# Altium PCB Controller.PcbDoc (part 1 of 2) (continued)
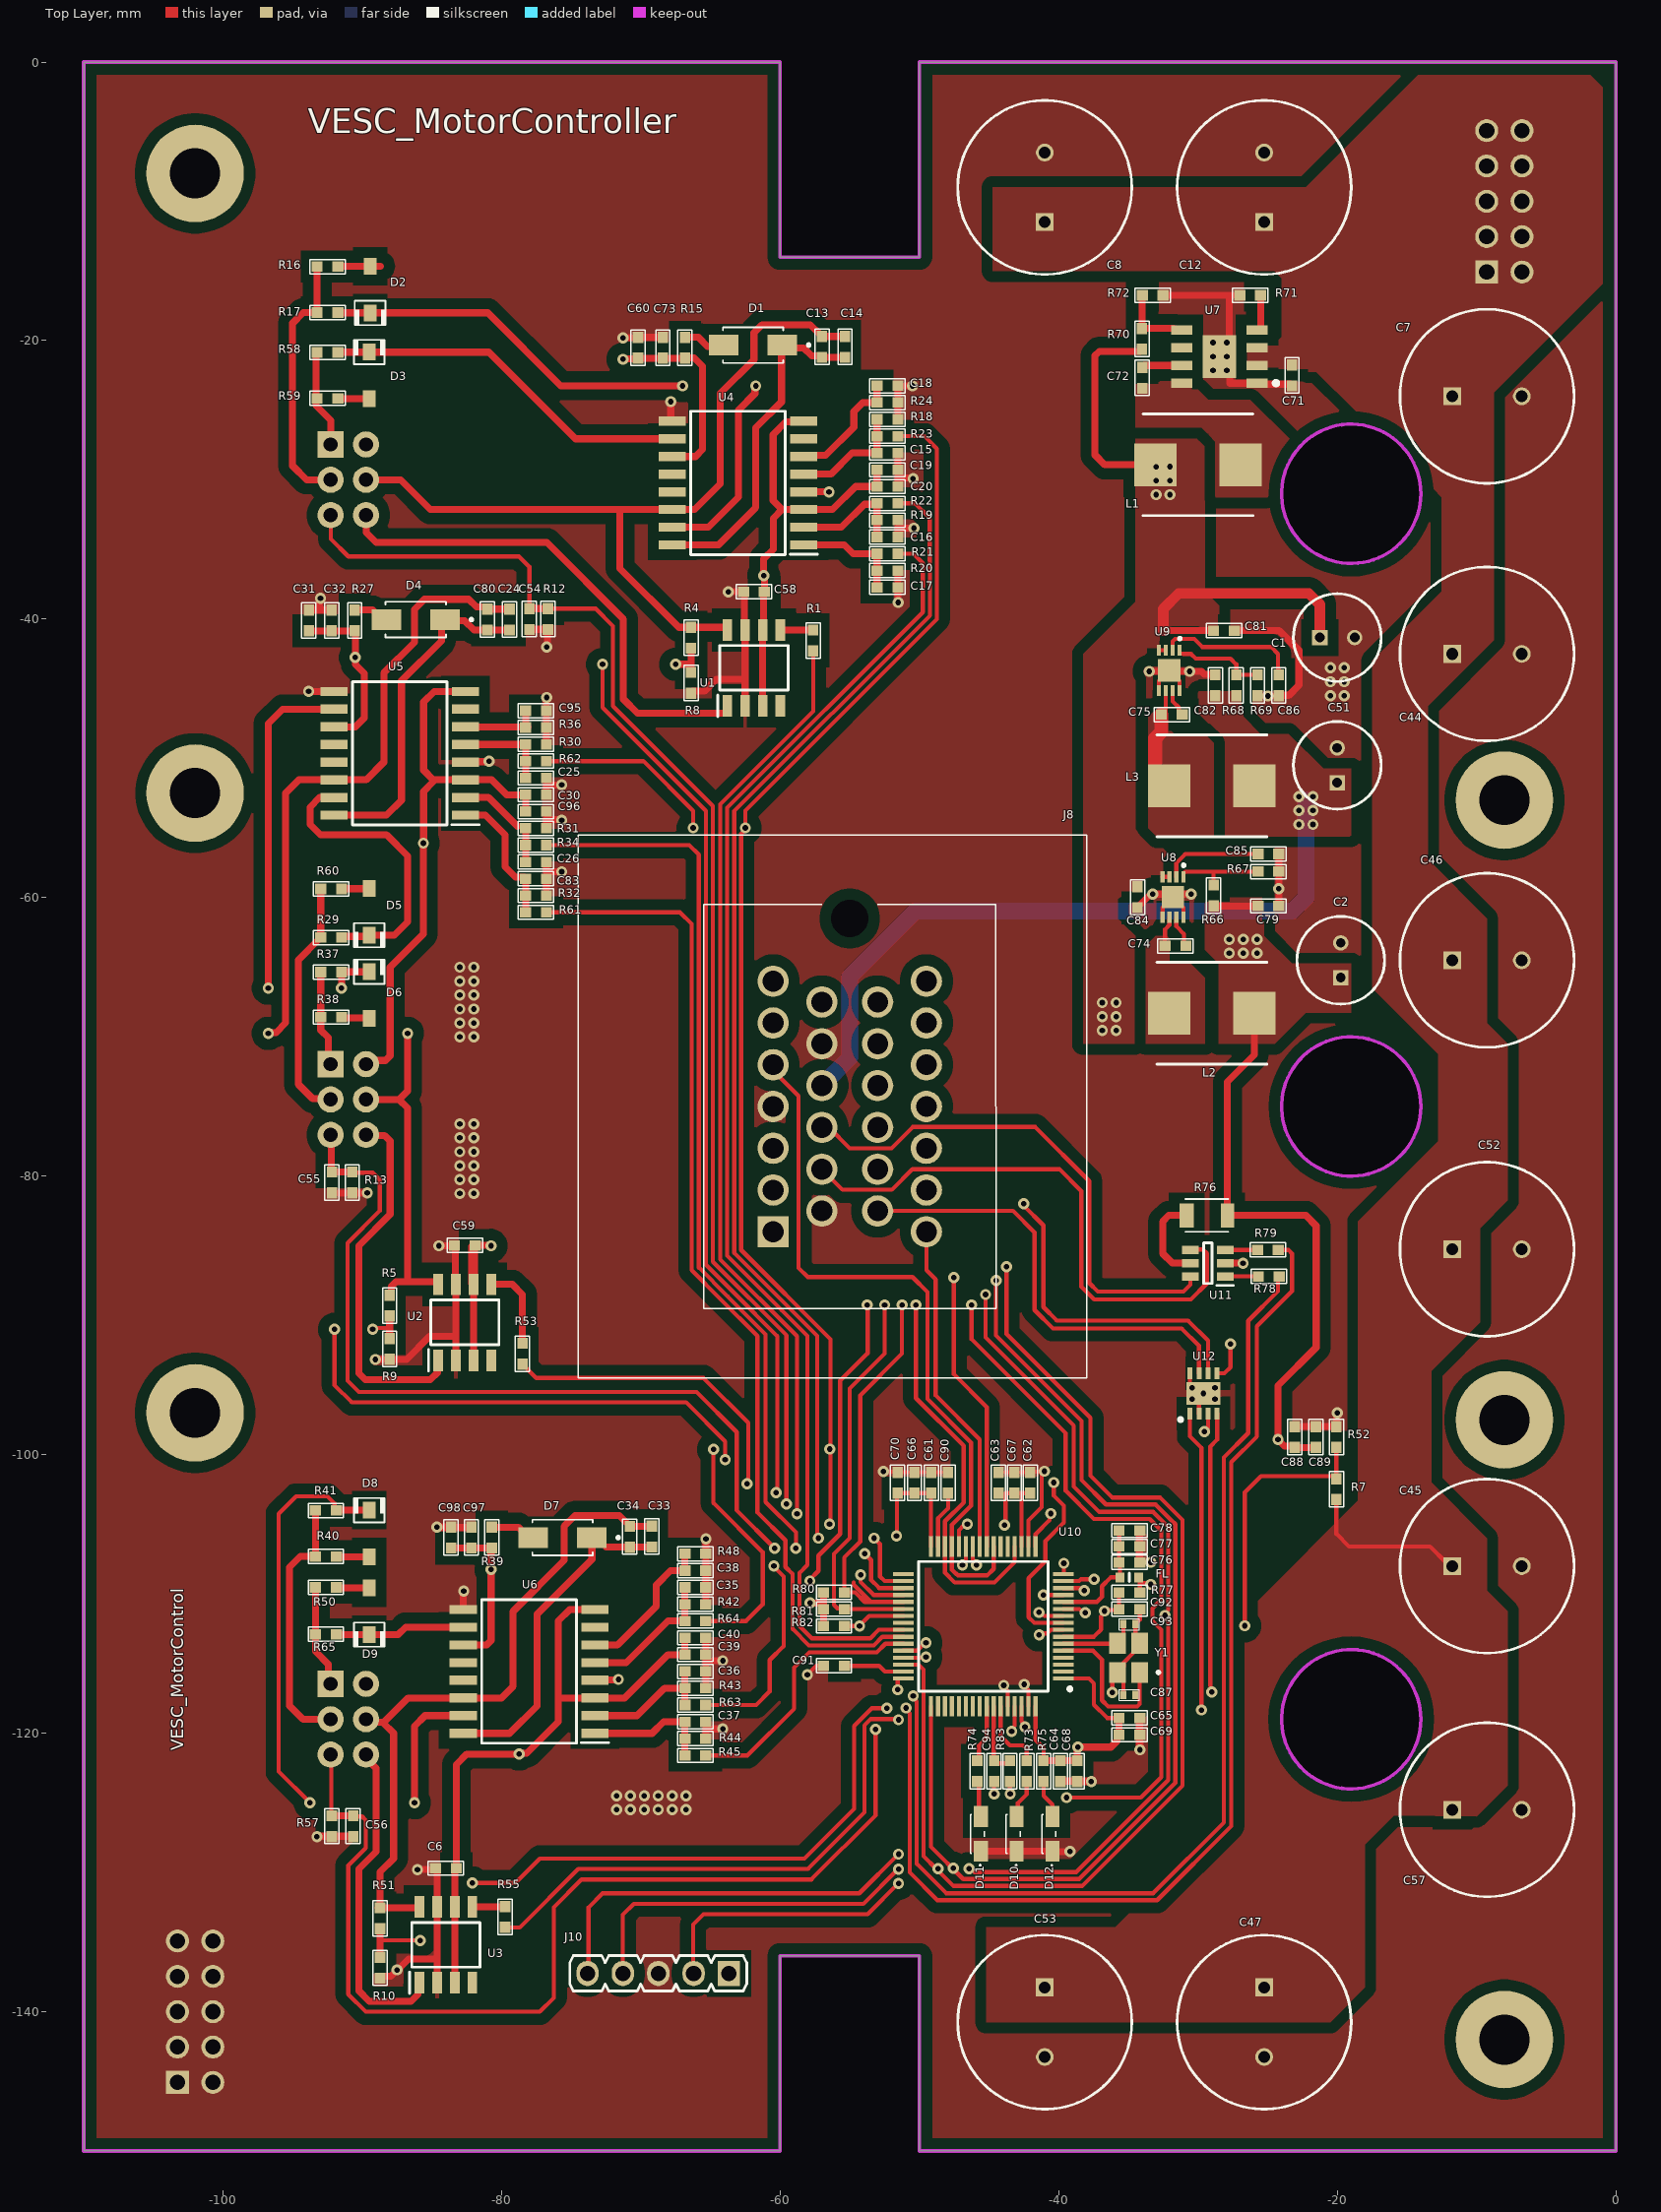
[diagram p0: Top Layer view]
## Components (designator, comment, footprint, x,y, rotation, side; value= is the part's Value field where it differs from the comment)
C1 "100uF/25V" CAPPRD250W50D630H1250 -21.25,-41.326 r0 top
C2 "100uF/25V" CAPPRD250W50D630H1250 -19.75,-65.75 r90 top
C6 "2.2uF" C0603 -83.995,-129.696 r0 top value=2.2uF/50V
C7 "220uF/100V" CAPPRD500W65D1250H2200 -11.75,-24 r0 top
C8 "220uF/100V" CAPPRD500W65D1250H2200 -41,-11.5 r90 top
C12 "220uF/100V" CAPPRD500W65D1250H2200 -25.25,-11.5 r90 top
C13 "100nF" C0603 -56.992,-20.452 r270 top value=0.1uF
C14 "4.7uF" C0603 -55.341,-20.452 r270 top value=2.2uF/50V
C15 "100nF" C0603 -52.293,-28.072 r0 top value=0.1uF
C16 "100nF" C0603 -52.293,-34.105 r0 top value=0.1uF
C17 "100nF" C0603 -52.293,-37.724 r0 top value=0.1uF
C18 "100nF" C0603 -52.293,-23.246 r180 top value=0.1uF
C19 "100nF" C0603 -52.293,-29.279 r180 top value=0.1uF
C20 "2.2uF" C0603 -52.293,-30.485 r180 top value=2.2uF/50V
C24 "4.7uF" C0603 -79.429,-40.036 r270 top value=2.2uF/50V
C25 "100nF" C0603 -77.524,-51.406 r0 top value=0.1uF
C26 "100nF" C0603 -77.524,-57.438 r0 top value=0.1uF
C30 "2.2uF" C0603 -77.524,-52.612 r180 top value=2.2uF/50V
C31 "4.7uF" C0603 -93.843,-40.099 r270 top value=2.2uF/50V
C32 "100nF" C0603 -92.192,-40.099 r270 top value=0.1uF
C33 "100nF" C0603 -69.21,-105.881 r270 top value=0.1uF
C34 "4.7uF" C0603 -70.798,-105.894 r270 top value=2.2uF/50V
C35 "100nF" C0603 -66.086,-109.533 r0 top value=0.1uF
C36 "100nF" C0603 -66.086,-115.566 r0 top value=0.1uF
C37 "100nF" C0603 -66.086,-119.185 r0 top value=0.1uF
C38 "100nF" C0603 -66.086,-108.327 r180 top value=0.1uF
C39 "100nF" C0603 -66.086,-114.359 r180 top value=0.1uF
C40 "2.2uF" C0603 -66.086,-113.153 r180 top value=2.2uF/50V
C44 "220uF/100V" CAPPRD500W65D1250H2200 -11.75,-42.5 r0 top
C45 "220uF/100V" CAPPRD500W65D1250H2200 -11.75,-108 r0 top
C46 "220uF/100V" CAPPRD500W65D1250H2200 -11.75,-64.5 r0 top
C47 "220uF/100V" CAPPRD500W65D1250H2200 -25.25,-138.25 r270 top
C51 "100uF/25V" CAPPRD250W50D630H1250 -20,-51.75 r90 top
C52 "220uF/100V" CAPPRD500W65D1250H2200 -11.75,-85.25 r0 top
C53 "220uF/100V" CAPPRD500W65D1250H2200 -41,-138.25 r270 top
C54 "2.2uF" C0603 -78.008,-40 r90 top value=2.2uF/50V
C55 "2.2uF" C0603 -92.18,-80.451 r90 top value=2.2uF/50V
C56 "2.2uF" C0603 -90.661,-126.676 r90 top value=2.2uF/50V
C57 "220uF/100V" CAPPRD500W65D1250H2200 -11.75,-125.5 r0 top
C58 "2.2uF" C0603 -61.881,-38.042 r0 top value=2.2uF/50V
C59 "2.2uF" C0603 -82.635,-84.975 r0 top value=2.2uF/50V
C60 "4.7uF" C0603 -70.2,-20.516 r270 top value=2.2uF/50V
C61 "2.2uF" C0603 -49.15,-102.019 r270 top value=2.2uF/50V
C62 "2.2uF" C0603 -42.038,-102.019 r270 top value=2.2uF/50V
C63 "100nF" C0603 -44.324,-102.019 r270 top value=0.1uF
C64 "100nF" C0603 -39.879,-122.72 r90 top value=0.1uF
C65 "100nF" C0603 -34.926,-118.91 r180 top value=0.1uF
C66 "100nF" C0603 -50.357,-102.019 r270 top value=0.1uF
C67 "10nF" C0603 -43.181,-102.019 r270 top
C68 "10nF" C0603 -38.673,-122.72 r90 top
C69 "10nF" C0603 -34.926,-120.116 r180 top
C70 "10nF" C0603 -51.563,-102.019 r270 top
C71 "2.2uF" C0603 -23.25,-22.5 r90 top value=2.2uF/50V
C72 "2.2nF" C0603 -33.999,-22.68 r270 top
C73 "100nF" C0603 -68.422,-20.516 r270 top value=0.1uF
C74 "100nF" C0603 -31.609,-63.469 r0 top value=0.1uF
C75 "100nF" C0603 -31.877,-46.862 r0 top value=0.1uF
C76 "100nF" C0603 -34.926,-107.734 r180 top value=0.1uF
C77 "10nF" C0603 -34.926,-106.591 r180 top
C78 "2.2uF" C0603 -34.926,-105.448 r180 top value=2.2uF/50V
C79 "2.2uF" C0603 -24.942,-60.6 r180 top value=2.2uF/50V
C80 "100nF" C0603 -81.016,-40.036 r270 top value=0.1uF
C81 "2.2uF" C0603 -28.13,-40.829 r180 top value=2.2uF/50V
C82 "2.2uF" C0603 -28.75,-44.75 r270 top value=2.2uF/50V
C83 "100nF" C0603 -77.524,-58.645 r0 top value=0.1uF
C84 "2.2uF" C0603 -34.34,-59.977 r90 top value=2.2uF/50V
C85 "2.2uF" C0603 -24.942,-56.865 r180 top value=2.2uF/50V
C86 "2.2uF" C0603 -24.202,-44.75 r90 top value=2.2uF/50V
C87 "15pF" C0402 -34.926,-117.259 r0 top
C88 "2.2uF" C0603 -23.056,-98.732 r270 top value=2.2uF/50V
C89 "2.2uF" C0603 -21.532,-98.732 r270 top value=2.2uF/50V
C90 "2.2uF" C0603 -47.944,-102.019 r270 top value=2.2uF/50V
C91 "2.2uF" C0603 -56.135,-115.163 r0 top value=2.2uF/50V
C92 "100nF" C0603 -34.926,-111.099 r180 top value=0.1uF
C93 "15pF" C0402 -34.926,-112.179 r0 top
C94 "100nF" C0603 -44.642,-122.72 r90 top value=0.1uF
C95 "100nF" C0603 -77.524,-46.58 r180 top
C96 "100nF" C0603 -77.524,-53.819 r180 top value=0.1uF
C97 "4.7uF" C0603 -82.164,-105.957 r270 top value=2.2uF/50V
C98 "100nF" C0603 -83.625,-105.957 r270 top value=0.1uF
D1 "SS115" DIOM4325X250N -61.945,-20.325 r180 top
D2 "B140HW-7" SOD123 -89.436,-16.341 r90 top
D3 "B140HW-7" SOD123 -89.5,-22.5 r270 top
D4 "SS115" DIOM4325X250N -86.16,-40.036 r180 top
D5 "B140HW-7" SOD123 -89.5,-61.027 r90 top
D6 "B140HW-7" SOD123 -89.5,-67 r270 top
D7 "SS115" DIOM4325X250N -75.624,-105.957 r180 top
D8 "B140HW-7" SOD123 -89.5,-105.662 r270 top
D9 "B140HW-7" SOD123 -89.5,-111.25 r90 top
D10 "Red" VCDG1113F4BY3CTR -42.769,-127.228 r0 top
D11 "Green" VCDG1113F4BY3CTR -45.34,-127.228 r0 top
D12 "Yellow" VCDG1113F4BY3CTR -40.197,-127.228 r0 top
FL "BLM18AG102SN1D" BLM18EG121SH1D -34.926,-108.813 r180 top
J8 "6437288-6" 64372886 -55,-75 r90 top locked
J10 "SWD" 61300511021 -68.75,-137.25 r180 top value=61300511021
J15 "PHASE_U" 61300621121 -91,-30 r270 bottom value=61300621121
J16 "PHASE_V" 61300621121 -91,-74.5 r270 bottom value=61300621121
J17 "PHASE_U" 61300621121 -91,-119 r270 bottom value=61300621121
J24 "61301021121" HDRV10W64P254X254_2X5_1270X508X869P -8,-10 r90 bottom
J25 "61301021121" HDRV10W64P254X254_2X5_1270X508X869P -102,-140 r90 bottom
L1 "68uH" INDPM7973X540N -29.999,-28.924 r180 top
L2 "22uH" INDPM7973X540N -29.006,-68.304 r0 top
L3 "22uH" INDPM7973X540N -29.006,-51.972 r0 top
R1 "1k" R0603 -57.627,-41.534 r270 top
R4 "33k" R0603 -66.39,-41.344 r90 top
R5 "33k" R0603 -88.032,-89.293 r90 top
R7 "33k" R0603 -20.06,-102.478 r270 top
R8 "2.2k" R0603 -66.39,-44.582 r90 top
R9 "2.2k" R0603 -88.032,-92.405 r90 top
R10 "2.2k" R0603 -88.723,-136.851 r90 top value=10k
R12 "10k" R0603 -76.674,-40 r90 top
R13 "10k" R0603 -90.72,-80.451 r90 top
R15 "2.2R" R0603 -66.834,-20.516 r90 top
R16 "4.7R" R0603 -92.496,-14.69 r180 top
R17 "22R" R0603 -92.496,-17.992 r180 top
R18 "2.2k" R0603 -52.293,-25.659 r0 top
R19 "2.2k" R0603 -52.293,-32.898 r0 top
R20 "2.2k" R0603 -52.293,-36.517 r0 top
R21 "22R" R0603 -52.293,-35.311 r180 top
R22 "22R" R0603 -52.293,-31.692 r180 top
R23 "22R" R0603 -52.293,-26.866 r180 top
R24 "10k" R0603 -52.293,-24.453 r180 top
R27 "2.2R" R0603 -90.541,-40.099 r90 top
R29 "22R" R0603 -92.23,-62.869 r180 top
R30 "2.2k" R0603 -77.524,-48.993 r0 top
R31 "2.2k" R0603 -77.524,-55.025 r0 top
R32 "2.2k" R0603 -77.524,-59.851 r0 top
R34 "22R" R0603 -77.524,-56.232 r180 top
R36 "10k" R0603 -77.524,-47.786 r180 top
R37 "22R" R0603 -92.23,-65.349 r0 top
R38 "4.7R" R0603 -92.23,-68.588 r0 top
R39 "2.2R" R0603 -80.704,-105.957 r90 top
R40 "4.7R" R0603 -92.611,-107.313 r180 top
R41 "22R" R0603 -92.611,-104.011 r180 top
R42 "2.2k" R0603 -66.086,-110.74 r0 top
R43 "2.2k" R0603 -66.086,-116.772 r0 top
R44 "2.2k" R0603 -66.086,-120.392 r0 top
R45 "22R" R0603 -66.086,-121.598 r180 top
R48 "10k" R0603 -66.086,-107.12 r180 top
R50 "4.7R" R0603 -92.611,-109.536 r0 top
R51 "33k" R0603 -88.723,-133.295 r90 top
R52 "2.2k" R0603 -20.06,-98.732 r270 top
R53 "1k" R0603 -78.5,-92.75 r270 top
R55 "1k" R0603 -79.745,-133.196 r270 top
R57 "10k" R0603 -92.185,-126.676 r90 top
R58 "22R" R0603 -92.496,-20.849 r0 top
R59 "4.7R" R0603 -92.496,-24.151 r0 top
R60 "4.7R" R0603 -92.23,-59.376 r180 top
R61 "22R" R0603 -77.524,-61.058 r180 top
R62 "22R" R0603 -77.524,-50.199 r180 top
R63 "22R" R0603 -66.086,-117.979 r180 top
R64 "22R" R0603 -66.086,-111.946 r180 top
R65 "22R" R0603 -92.611,-112.901 r0 top
R66 "52.3k" R0603 -28.879,-59.85 r90 top
R67 "10k" R0603 -24.942,-58.135 r0 top
R68 "33k" R0603 -27.25,-44.75 r90 top
R69 "10k" R0603 -25.726,-44.75 r270 top
R70 "448k" R0603 -34.015,-19.88 r270 top value=442k
R71 "100k" R0603 -26.25,-16.75 r0 top
R72 "49.9k" R0603 -33.25,-16.75 r180 top
R73 "2.2k" R0603 -42.292,-122.72 r90 top
R74 "2.2k" R0603 -45.848,-122.72 r90 top
R75 "2.2k" R0603 -41.086,-122.72 r90 top
R76 "0R" R1206 -29.363,-82.821 r0 top
R77 "2.2k" R0603 -34.926,-109.893 r0 top
R78 "22R" R0603 -24.918,-87.203 r180 top
R79 "22R" R0603 -24.982,-85.298 r180 top
R80 "2.2k" R0603 -56.135,-109.893 r180 top
R81 "2.2k" R0603 -56.135,-111.099 r180 top
R82 "2.2k" R0603 -56.135,-112.306 r180 top
R83 "100" R0603 -43.499,-122.72 r90 top
U1 "INA240A2QDRQ1" SOIC127P600X175-8N -61.881,-43.503 r90 top
U2 "INA240A2QDRQ1" SOIC127P600X175-8N -82.635,-90.5 r90 top
U3 "INA240A2QDRQ1" SOIC127P600X175-8N -84,-135.2 r90 top
U4 "UCC21520ADW" SOIC127P1030X265-16N -63.024,-30.231 r180 top
U5 "UCC21520ADW" SOIC127P1030X265-16N -87.311,-49.64 r180 top
U6 "UCC21520ADW" SOIC127P1030X265-16N -78.024,-115.566 r180 top
U7 "LM5164DDAR" SOIC-8(EPAD) -28.462,-21.155 r180 top value=1.7mm
U8 "MCP16311T-E_MNY" MSOP-8 -31.796,-59.966 r270 top value=MCP16311T-E/MNY
U9 "MCP16311T-E_MNY" MSOP-8 -32.067,-43.687 r270 top value=MCP16311T-E/MNY
U10 "STM32F405RGT6TR" QFP50P1200X1200X160-64N -45.416,-112.329 r180 top
U11 "USBLC6-2SC6Y" SOT95P280X145-6N -29.3,-86.25 r180 top
U12 "TJA1051TK/3,118" HVSON-8 -29.601,-95.608 r90 top
Y1 "FL0800026Q" XTAL_FL0800026Q -34.99,-114.592 r180 top value=8MHz

## Footprints (in the part's own frame and the unit in brackets; to place one, negate y for a bottom-side part, rotate by r counter-clockwise, add the part's x,y. Pads: shape width x height; smd on the part's side, far side on the other; paste and mask are expansions set on the pad)
64372886 [mm]
  rect 2.25x2.25 hole 1.5: 1(-9,5.5)
  round 2.25 hole 1.5: 2(-6,5.5) 3(-3,5.5) 4(0,5.5) 5(3,5.5) 6(6,5.5) 7(9,5.5) 8(-7.5,2) 9(-4.5,2) 10(-1.5,2) 11(1.5,2) 12(4.5,2) 13(7.5,2) 14(-7.5,-2) 15(-4.5,-2) 16(-1.5,-2) 17(1.5,-2) 18(4.5,-2) 19(7.5,-2) 20(-9,-5.5) 21(-6,-5.5) 22(-3,-5.5) 23(0,-5.5) 24(3,-5.5) 25(6,-5.5) 26(9,-5.5)
  round 1.35 hole 2.7 unplated: 27(13.5,0)
  silkscreen extent -19.5,-17 19.5,19.5, body extent -19.5,-17.09 19.5,19.41, height 24.6
61300511021 [mm] "Pin Header, pitch 2.54 mm, THT, Vertical, single row, 5p"
  rect 1.6x1.8 hole 1.1: 1(-5.08,0)
  oval 1.6x1.8 hole 1.1: 2(-2.54,0) 3(0,0) 4(2.54,0) 5(5.08,0)
  silkscreen extent -6.35,-1.27 6.35,1.27, body extent -6.35,-0.42 6.35,9.94, height 2.55
61300621121 [mil]
  rect 74x74 hole 40: 1(-100,50)
  round 74 hole 40: 2(0,50) 3(100,50) 4(-100,-50) 5(0,-50) 6(100,-50)
  silkscreen extent -150,-100 150,100, body extent -150,-100 150,100, height 350
BLM18EG121SH1D [mm]
  rect 0.65x0.7 smd: 1(-0.675,0) 2(0.675,0)
  silkscreen extent 0,-0.3 0,0.3, body extent -0.8,-0.41 0.8,0.39, height 0.81
C0402 [mm] "CAPACITOR SMD 0603"
  rect 0.45x0.6 smd: 1(-0.432,0) 2(0.432,0)
  silkscreen extent -0.73,-0.4 0.73,0.39, body extent -0.49,-0.27 0.51,0.28, height 0.5
C0603 [mm] "CAPACITOR SMD 0603"
  rect 0.8x0.75 smd: 1(-0.75,0) 2(0.75,0)
  silkscreen extent -1.27,-0.51 1.27,0.51, body extent -1,-0.39 1,0.39, height 0.79
CAPPRD250W50D630H1250 [mm]
  rect 1.1x1.1 hole 0.7: 1(0,0)
  round 1.1 hole 0.7: 2(2.5,0)
  silkscreen extent -1.9,-3.15 4.4,3.15, body extent -1.88,-3.15 4.42,3.15, height 12.5
CAPPRD500W65D1250H2200 [mm]
  rect 1.275x1.275 hole 0.85: 1(0,0)
  round 1.275 hole 0.85: 2(5,0)
  silkscreen extent -3.75,-6.25 8.75,6.25, body extent -3.71,-6.25 8.79,6.25, height 20
DIOM4325X250N [mm]
  rect 2.12x1.5 smd: A(2.115,0) C(-2.115,0)
  silkscreen extent -4.1,-1.28 2.16,1.28, body extent -2.57,-1.28 2.57,1.28, height 2.5
HDRV10W64P254X254_2X5_1270X508X869P [mm]
  rect 1.65x1.65 / inner round 1.65 / far side rect 1.65x1.65 hole 1.1: 1(-5.08,-1.27)
  round 1.65 hole 1.1: 2(-5.08,1.27) 3(-2.54,-1.27) 4(-2.54,1.27) 5(0,-1.27) 6(0,1.27) 7(2.54,-1.27) 8(2.54,1.27) 9(5.08,-1.27) 10(5.08,1.27)
  silkscreen extent -6.5,-2.62 6.5,2.62, body extent -6.35,-2.54 6.35,2.54, height 8.82
HVSON-8 [mm]
  rect 0.85x0.35 smd: 1(-1.45,0.975) 2(-1.45,0.325) 3(-1.45,-0.325) 4(-1.45,-0.975) 5(1.45,-0.975) 6(1.45,-0.325) 7(1.45,0.325) 8(1.45,0.975)
  rect 1.65x2.45 smd: 9(0,0)
  silkscreen extent -2,1.52 -1.75,1.77, body extent -1.55,-1.5 1.55,1.5, height 1
INDPM7973X540N [mm]
  rect 3.05x3.1 smd: 1(-3.05,0) 2(3.05,0)
  silkscreen extent -3.95,-3.65 3.95,3.65, body extent -3.95,-3.65 3.95,3.65, height 5.4
MSOP-8 [mm]
  rect 0.8x0.3 smd: 1(-1.45,0.75) 2(-1.45,0.25) 3(-1.45,-0.25) 4(-1.45,-0.75) 5(1.45,-0.75) 6(1.45,-0.25) 7(1.45,0.25) 8(1.45,0.75)
  rect 1.6x1.6 smd: 9(0,0)
  silkscreen extent -2.39,0.66 -2.19,0.86, body extent -1.55,-1 1.55,1, height 0.8
QFP50P1200X1200X160-64N [mm]
  rect 1.475x0.3 smd: 1(-5.738,3.75) 2(-5.738,3.25) 3(-5.738,2.75) 4(-5.738,2.25) 5(-5.738,1.75) 6(-5.738,1.25) 7(-5.738,0.75) 8(-5.738,0.25) 9(-5.738,-0.25) 10(-5.738,-0.75) 11(-5.738,-1.25) 12(-5.738,-1.75) 13(-5.738,-2.25) 14(-5.738,-2.75) 15(-5.738,-3.25) 16(-5.738,-3.75) 33(5.738,-3.75) 34(5.738,-3.25) 35(5.738,-2.75) 36(5.738,-2.25) 37(5.738,-1.75) 38(5.738,-1.25) 39(5.738,-0.75) 40(5.738,-0.25) 41(5.738,0.25) 42(5.738,0.75) 43(5.738,1.25) 44(5.738,1.75) 45(5.738,2.25) 46(5.738,2.75) 47(5.738,3.25) 48(5.738,3.75)
  rect 0.3x1.475 smd: 17(-3.75,-5.738) 18(-3.25,-5.738) 19(-2.75,-5.738) 20(-2.25,-5.738) 21(-1.75,-5.738) 22(-1.25,-5.738) 23(-0.75,-5.738) 24(-0.25,-5.738) 25(0.25,-5.738) 26(0.75,-5.738) 27(1.25,-5.738) 28(1.75,-5.738) 29(2.25,-5.738) 30(2.75,-5.738) 31(3.25,-5.738) 32(3.75,-5.738) 49(3.75,5.738) 50(3.25,5.738) 51(2.75,5.738) 52(2.25,5.738) 53(1.75,5.738) 54(1.25,5.738) 55(0.75,5.738) 56(0.25,5.738) 57(-0.25,5.738) 58(-0.75,5.738) 59(-1.25,5.738) 60(-1.75,5.738) 61(-2.25,5.738) 62(-2.75,5.738) 63(-3.25,5.738) 64(-3.75,5.738)
  silkscreen extent -6.35,-4.65 4.65,4.65, body extent -6,-6 6,6, height 1.6
R0603 [mm] "RESISTOR SMD 0603"
  rect 0.8x0.75 smd: 1(-0.75,0) 2(0.75,0)
  silkscreen extent -1.27,-0.51 1.27,0.51, body extent -1,-0.39 1,0.39, height 0.79
R1206 [mm]
  rect 1.02x1.73 smd: 1(-1.455,0)
  rect 0.97x1.73 smd: 2(1.48,0)
  silkscreen extent -1.55,-1.18 1.55,1.18, body extent -1.6,-0.8 1.6,0.8, height 0.7
SOD123 [mm]
  rect 1.21x0.93 smd: A(1.68,0) C(-1.68,0)
  silkscreen extent -2.54,-1.1 -0.8,1.1, body extent -1.85,-0.8 1.85,0.8, height 1.27
SOIC127P600X175-8N [mm]
  rect 1.55x0.7 smd: 1(-2.725,1.905) 2(-2.725,0.635) 3(-2.725,-0.635) 4(-2.725,-1.905) 5(2.725,-1.905) 6(2.725,-0.635) 7(2.725,0.635) 8(2.725,1.905)
  silkscreen extent -3.5,-2.45 1.6,2.61, body extent -3,-2.45 3,2.45, height 1.75
SOIC127P1030X265-16N [mm]
  rect 1.95x0.65 smd: 1(-4.725,4.445) 2(-4.725,3.175) 3(-4.725,1.905) 4(-4.725,0.635) 5(-4.725,-0.635) 6(-4.725,-1.905) 7(-4.725,-3.175) 8(-4.725,-4.445) 9(4.725,-4.445) 10(4.725,-3.175) 11(4.725,-1.905) 12(4.725,-0.635) 13(4.725,0.635) 14(4.725,1.905) 15(4.725,3.175) 16(4.725,4.445)
  silkscreen extent -5.7,-5.15 3.4,5.15, body extent -5.17,-5.15 5.17,5.15, height 2.59
SOIC-8(EPAD) [mm]
  rect 1.525x0.65 smd: 1(-2.712,1.905) 2(-2.712,0.635) 3(-2.712,-0.635) 4(-2.712,-1.905) 5(2.712,-1.905) 6(2.712,-0.635) 7(2.712,0.635) 8(2.712,1.905)
  rect 2.4x3.1 smd: 9(0,0)
  silkscreen extent -4.21,1.76 -3.91,2.05, body extent -3,-2.45 3,2.45, height 1.57
SOT95P280X145-6N [mm]
  rect 1.2x0.6 smd: 1(-1.25,0.95) 2(-1.25,0) 3(-1.25,-0.95) 4(1.25,-0.95) 5(1.25,0) 6(1.25,0.95)
  silkscreen extent -1.85,-1.46 0.3,1.6, body extent -1.4,-1.46 1.4,1.46, height 1.45
VCDG1113F4BY3CTR [mm]
  rect 1x1.5 smd: 1(-0.25,-1.25) 2(-0.25,1.25)
  silkscreen extent -1,-2.3 0,1.4, body extent -0.6,-1.05 0,1.05, height 0.95
XTAL_FL0800026Q [mm]
  rect 1.2x1.5 smd: 1(-0.8,1.05) 2(-0.8,-1.05) 3(0.8,-1.05) 4(0.8,1.05)
  silkscreen extent -2.25,0.95 -2.05,1.15, body extent -1.25,-1.6 1.25,1.6, height 0.78

## Part data
C1 C2 C51: library part "100uF ± 10% 25V", "100uF ± 10% 25V", Manufacturer=Kemet, Manufacturer Part Number=ESK107M025AE3AA, Supplier Part Number=80-ESK107M025AE3AA, Price=0.25, Supplier=mouser
C6 C14 C20 C24 C30 C31 C34 C40 C54 C55 C56 C58 C59 C60 C61 C62 C71 C78 C79 C81 C82 C84 C85 C86 C88 C89 C90 C91 C97: library part "Cap 2.2uF ± 10% 50V", "Multilayer Ceramic Capacitors MLCC - SMD/SMT 50 V 2.2uF X7R 0805 10%", Manufacturer=Yageo, Manufacturer Part Number=CC0805KKX7R9BB225, Supplier Part Number=603-CC805KKX7R9BB225, Price=0.36, Supplier=mouser
C7 C8 C12 C44 C45 C46 C47 C52 C53 C57: library part "ECap 220uF ± 20% 100V", "Aluminium Electrolytic Capacitors - Radial Leaded 220uF 100V", Manufacturer=Panasonic, Manufacturer Part Number=ECA-2AM221, Supplier Part Number=667-ECA-2AM221, Price=0.95, Supplier=Mouser
C13 C15 C16 C17 C18 C19 C25 C26 C32 C33 C35 C36 C37 C38 C39 C63 C64 C65 C66 C73 C74 C75 C76 C80 C83 C92 C94 C96 C98: library part "Cap 100nF ± 10% 50V", "Multilayer Ceramic Capacitors MLCC - SMD/SMT 50 V 0.1uF X7R 0603 10%", Manufacturer=Yageo, Manufacturer Part Number=CC0603KRX7R9BB104, Supplier Part Number=603-CC603KRX7R9BB104, Price=0.1, Supplier=mouser
C67 C68 C69 C70 C77: library part "Cap 10nF ± 10% 100V", "Multilayer Ceramic Capacitors MLCC - SMD/SMT 100V 0.01uF X7R 10% 0805", Manufacturer=Yageo, Manufacturer Part Number=CC0805KRX7R0BB103, Supplier Part Number=603-CC0805KRX7R0BB103, Price=0.1, Supplier=mouser
C72: library part "Cap 2.2nF ± 10% 50V", "Multilayer Ceramic Capacitors MLCC - SMD/SMT 50V 2200pF X7R 0603 10%", Manufacturer=Yageo, Manufacturer Part Number=CC0603KRX7R9BB222, Supplier Part Number=603-CC0603KRX7R9BB222, Price=0.1, Supplier=mouser
C87 C93: library part "Cap 15pF ± 10% 50V", "Multilayer Ceramic Capacitors MLCC - SMD/SMT 50 V 15 pF C0G 0603 10%", Manufacturer=Yageo, Manufacturer Part Number=CC0603KRNPO9BN150, Supplier Part Number=603-CC0603KRNPO9BN150, Price=0.1, Supplier=mouser
C95: library part "100nF ± 10% 50V", "100nF ± 10% 50V", Manufacturer=Yageo, Manufacturer Part Number=CS0603KRX7R9BB104, Supplier Part Number=603-CS0603KRX79BB104, Price=0.1, Supplier=mouser
D1 D4 D7: library part "S Diodes & Rectifiers 1A 150V", "Schottky Diodes & Rectifiers 1A, 150V, Schottky Rectifier", Manufacturer="Taiwan Semiconductor", Supplier Part Number=821-SS115, Manufacturer Part Number=SS115, Price=0.34, Supplier=Mouser
D2 D3 D5 D6 D8 D9: library part "S Diodes & Rectifiers 1A 40V", "Schottky Diodes & Rectifiers SCHOTTKY RECTIFIER SOD-123 1.0A 40V", Manufacturer=Diodes, Supplier Part Number=621-B140HW-7, Manufacturer Part Number=B140HW-7, Price=0.44, Supplier=Mouser
D10: library part "Led 0603 Red", "Standard LEDs - SMD SMD 0603 2V 100mcd RED", Manufacturer=VCC, Manufacturer Part Number=LSM0603412V, Supplier Part Number=593-LSM0603412V, Price=0.39, Supplier=Mouser
D11: library part "Led 0603 Green", "Standard LEDs - SMD SMD 0603 3V 1000mcd GREEN", Manufacturer=VCC, Manufacturer Part Number=LSM0603453V, Supplier Part Number=593-LSM0603453V, Price=0.44, Supplier=Mouser
D12: library part "Led 0603 Yellow", "Standard LEDs - SMD SMD 0603 2V 150mcd YELLOW", Manufacturer=VCC, Manufacturer Part Number=LSM0603472V, Supplier Part Number=593-LSM0603472V, Price=0.29, Supplier=Mouser
FL: "Ferrite Beads 1000 OHM 25% Alternate Sizing Guide Below", Manufacturer=Murata, Supplier Part Number=81-BLM11A102S, Manufacturer Part Number=BLM18AG102SN1D, Price=0.15, Supplier=Mouser
J8: library part "Header Vert 26 pin", "Header vert 26 way 4 row Tab Superseal", Manufacturer="TE Connectivity", Supplier Part Number=571-6437288-6, Manufacturer Part Number=6437288-6, Price=2, Supplier=Mouser
J10: library part "Header 5 Pin_1", "Headers & Wire Housings WR-PHD 2.54mm Hdr 5P Single RA Gold", Manufacturer="Wurth Electronic", Manufacturer Part Number=61300511021, Supplier Part Number=710-61300511021, Price=0.44, Supplier=Mouser
J15 J16 J17: library part "Header 6 Pin_2", "WR-PHD 2.54mm  Dual Pin Header THT 06p Wurth Elektronik WR-PHD Series, Series Number 6130, 2.54mm Pitch 6 Way 2 Row Straight PCB Header, Solder Termination", Manufacturer="Wurth Elektronik", Manufacturer Part Number=61300621121, Supplier Part Number=710-61300621121, Price=0.57, Supplier=Mouser
J24 J25: "Wurth Elektronik WR-PHD, 10 Way, 2 Row, Straight Pin Header", Manufacturer="Wurth Elektronik", Supplier Part Number=710-61301021121, Manufacturer Part Number=61301021121, Priice=1, Supplier=Mouser
L1: library part "Inductor 68uH ±20% 2.7A", "Power Inductors - SMD Ind,7.9x7.3x5.2mm,68uH+/-20%,2.7A,shd", Manufacturer=Bourns, Manufacturer Part Number=SRP7050WA-680M, Supplier Part Number=652-SRP7050WA-680M, Price=1, Supplier=Mouser
L2 L3: library part "Inductor 22uH ±20% 5A", "Power Inductors - SMD Ind,7.9x7.3x5.2mm,22uH+/-20%,5A,shd", Manufacturer=Bourns, Manufacturer Part Number=SRP7050WA-220M, Supplier Part Number=652-SRP7050WA-220M, Price=1, Supplier=Mouser
R1 R53 R55: library part "Res 1kOhms ±1% 0.1W", "Thick Film Resistors - SMD 1 kOhms 100mW 0603 1%", Manufacturer=Yageo, Manufacturer Part Number=RC0603FR-071KL, Supplier Part Number=603-RC0603FR-071KL, Price=0.1, Supplier=Mouser
R4 R5 R7 R51 R68: library part "Res 33kOhms ±1% 0.1W", "Thick Film Resistors - SMD 33 kOhms 100mW 0603 1%", Manufacturer=Yageo, Manufacturer Part Number=RC0603FR-0733KL, Supplier Part Number=603-RC0603FR-0733KL, Price=0.1, Supplier=mouser
R8 R9 R52 R73 R74 R75 R77 R80 R81 R82: library part "Res 2.2kOhms ±1% 0.1W", "Thick Film Resistors - SMD 2.2 kOhms 100mW 0603 1%", Manufacturer=Yageo, Manufacturer Part Number=RC0603FR-072K2L, Supplier Part Number=603-RC0603FR-072K2L, Price=0.1, Supplier=Mouser
R10 R13 R57 R67 R69: library part "Res 10kOhms ±1% 0.1W", "Thick Film Resistors - SMD 10 kOhms 100mW 0603 1%", Manufacturer=Yageo, Manufacturer Part Number=RC0603FR-0710KL, Supplier Part Number=603-RC0603FR-0710KL, Price=0.1, Supplier=mouser
R12 R24 R36 R48: library part "10 kOhms ±1% 0.1W", "10 kOhms ±1% 0.1W", Manufacturer=Yageo, Manufacturer Part Number=RC0603FR-0710KL, Supplier Part Number=603-RC0603FR-0710KL, Price=0.1, Supplier=mouser
R15 R27 R39: library part "Res 2.2ohm ±1% 0.1W", "Thick Film Resistors - SMD 2.2 Ohms 100mW 0603 1%", Manufacturer=Yageo, Manufacturer Part Number=RC0603FR-072R2L, Supplier Part Number=603-RC0603FR-072R2L, Price=0.1, Supplier=Mouser
R16 R38 R40 R50 R59 R60: library part "Res 4.7ohm ±1% 0.1W", "Thick Film Resistors - SMD 4.7 Ohms 100mW 0603 1%", Manufacturer=Yageo, Manufacturer Part Number=RC0603FR-074R7L, Supplier Part Number=603-RC0603FR-074R7L, Price=0.12, Supplier=Mouser
R17 R21 R22 R23 R29 R34 R37 R41 R45 R58 R61 R62 R63 R64 R65 R78 R79: library part "Res 22ohm ±1% 0.1W", "Thick Film Resistors - SMD 22 Ohms 100mW 0603 1%", Manufacturer=Yageo, Manufacturer Part Number=RC0603FR-0722RL, Supplier Part Number=603-RC0603FR-0722RL, Price=0.1, Supplier=Mouser
R18 R19 R20 R30 R31 R32 R42 R43 R44: library part "2.2 kOhms ±1% 0.1W", "2.2 kOhms ±1% 0.1W", Manufacturer=Yageo, Manufacturer Part Number=RC0603FR-072K2L, Supplier Part Number=603-RC0603FR-072K2L, Price=0.1, Supplier=Mouser
R66: library part "Res 52.3kOhms ±1% 0.1W", "hick Film Resistors - SMD 52.3 kOhms 100mW 0603 1%", Manufacturer=Yageo, Manufacturer Part Number=RC0603FR-0752K3L, Supplier Part Number=603-RC0603FR-0752K3L, Price=0.1, Supplier=mouser
R70: library part "Res 442kOhms ±1% 0.1W", "Thick Film Resistors - SMD 442 kOhms 100 mW 0603 1%", Manufacturer=Yageo, Manufacturer Part Number=RC0603FR-07442KL, Supplier Part Number=603-RC0603FR-07442KL, Price=0.1, Supplier=Mouser
R71: library part "Res 100kOhms ±1% 0.1W", "Thick Film Resistors - SMD 100 kOhms 100mW 0603 1%", Manufacturer=Yageo, Manufacturer Part Number=RC0603FR-07100KL, Supplier Part Number=603-RC0603FR-07100KL, Price=0.1, Supplier=mouser
R72: library part "Res 49.9kOhms ±1% 0.1W", "Thick Film Resistors - SMD 49.9K Ohms 100mW 1% 0603", Manufacturer=Yageo, Manufacturer Part Number=RC0603FR-0749K9L, Supplier Part Number=603-RC0603FR-0749K9L, Price=0.1, Supplier=mouser
R76: library part "Res 0ohm ±1% 0.25W", "Thick Film Resistors - SMD 0 Ohms 250 mW 1206 1%", Manufacturer=Yageo, Manufacturer Part Number=RC1206FR-070RL, Supplier Part Number=603-RC1206FR-070RL, Price=0.1, Supplier=Mouser
R83: library part "Res 100Ohms ±1% 0.1W", "Thick Film Resistors - SMD 100 Ohms 100mW 0603 1%", Manufacturer=Yageo, Manufacturer Part Number=RC0603FR-07100RL, Supplier Part Number=603-RC0603FR-07100RL, Price=0.1, Supplier=Mouser
U1 U2 U3: "Automotive, High/Low Side, Bi-Directional Zer-Drift Current Sense Amp w/ Enhanced PWM Rejection", Manufacturer="Texas Instruments", Supplier Part Number=595-INA240A2QDRQ1, Manufacturer Part Number=INA240A2QDRQ1, Price=3.8, Supplier=Mouser
U4 U5 U6: "4A/6A, 5.7 kVrms Isolated Dual Channel Gate Driver", Manufacturer="Texas Instruments", Supplier Part Number=595-UCC21520ADW, Manufacturer Part Number=UCC21520ADW, Price=7.6, Supplier=Mouser
U7: "Texas Instruments 6-V to 100-V Input, 1-A Synchronous Buck DC-DC Converter With Ultra-Low IQ 8-SO PowerPAD -40 to 150", Manufacturer="Texas Instruments", Supplier Part Number=595-LM5164DDAR, Manufacturer Part Number=LM5164DDAR, Price=3.5, Supplier=Mouser
U8 U9: "Microchip, MCP16311T-E/MNY Step Down DC-DC Converter 1A Adjustable, 2  24 V 8-Pin, TDFN", Manufacturer=Microchip, Manufacturer Part Number=MCP16311T-E/MNY, Supplier Part Number=579-MCP16311T-E/MNY, Price=1.8, Supplier=Mouser
U10: "STM32F405RGT6TR, 32 bit ARM Cortex M4 MCU 168MHz 1024 kB Flash, 192 kB RAM, 2xUSB CAN I2C 64-Pin LQFP", Manufacturer=STMicroelectronics, Supplier Part Number=511-STM32F405RGT6TR, Manufacturer Part Number=STM32F405RGT6TR, Price=11.6, Supplier=Mouser
U11: "Low Cap. ESD Protection Auto SOT-23-6 STMicroelectronics USBLC6-2SC6Y, Dual Uni-Directional TVS Diode Array, 6-Pin SOT-23", Manufacturer=STMicroelectronics, Supplier Part Number=511-USBLC6-2SC6Y, Manufacturer Part Number=USBLC6-2SC6Y, Price=1.45, Supplier=Mouser
U12: "CAN Interface IC BL Advanced Automotive Analog", Manufacturer="NXP Semiconductors", Supplier Part Number=771-TJA1051TK/3,118, Manufacturer Part Number=TJA1051TK/3,118, Price=1.6, Supplier=Mouser
Y1: library part "CrystalOscilator 8MHz", "8 MHz A±30ppm Crystals Crystal Ceramic SEAM3225 T&R 3K", Manufacturer="Diodes Incorporated", Supplier Part Number=621-FL0800026Q, Manufacturer Part Number=FL0800026Q, Price=0.38, Supplier=Mouser

## Free pads (board coordinates)
  round 7 hole 3.6: 1(-102,-97) 1(-102,-52.5) 1(-102,-8) 1(-8,-142) 1(-8,-97.5) 1(-8,-53)

## Via types
v1: diameter 0.8, hole 0.4, Top Layer to Bottom Layer, tented both sides, 217 vias

## Nets (pads, with @x,y where several pads share a name; then routed paths per layer and width w, separated by ;. In a path a pad name is that pad's centre, name@x,y a point inside that pad or via, vN(x,y) a via of type N, cw(c..) or ccw(c..) an arc to the next point about the centre after c; other vN are vias at no path point)
+5V: C2.1 C79.2 C88.2 C89.2 J8.1 J8.7 J8.19 L2.2 R66.1 R76.2 U12.3 | length 112.8
  Top Layer w0.3: v1(-29.54,-98.349) -29.276,-98.084 U12.3@-29.276,-97.058
  Top Layer w0.5: R66.1@-28.879,-60.6 C79.2@-25.692,-60.6 ; L2.2@-25.956,-68.304 -25.956,-71.295 -27.883,-73.222 R76.2@-27.883,-82.821 -22.259,-82.821 -21.514,-83.566 -21.514,-92.304 -24.257,-95.047 v1(-24.257,-98.908) -23.787,-99.377 -23.161,-99.377 C88.2@-23.056,-99.482 C89.2@-21.532,-99.482
  Signal Layer 1 w0.3: v1(-29.54,-98.349) -24.816,-98.349 v1(-24.257,-98.908)
  Signal Layer 2 w1: J8.1@-60.5,-84 -60.539,-83.961 -62.539,-83.961 -64,-82.5 -64,-66.75 -63.25,-66 J8.7@-60.5,-66 -60.5,-65.662 -59.088,-64.25 -53,-64.25 J8.19@-53,-67.5 ; -53,-64.5 -51.5,-63 v1(-27.75,-63)
  other v1: -27.75,-64 -26.75,-64 -25.75,-64 -26.75,-63 -25.75,-63
+12V: C1.1 C31.2 C32.2 C60.2 C73.2 C81.2 C84.2 C97.2 C98.2 J8.24 L1.2 R15.1 R27.1 R39.1 R70.2 U4.11 U5.11 U6.11 U8.3 U8.4 U9.3 U9.4 | length 264.2
  Top Layer w0.3: U9.4@-32.817,-42.237 U9.3@-32.317,-42.237 ; U8.4@-32.546,-58.516 U8.3@-32.046,-58.516
  Top Layer w0.5: C31.2@-93.843,-40.849 C32.2@-92.217,-40.849 ; C32.2@-92.192,-40.849 R27.1@-90.541,-40.849 -90.5,-40.891 v1(-90.5,-42.75) -90.5,-43.25 -89.851,-43.899 -89.851,-47.1 -90.486,-47.735 U5.11@-92.036,-47.735 ; C98.2@-83.625,-106.707 C97.2@-82.189,-106.707 ; U6.11@-82.749,-113.661 -81.072,-113.661 -80.755,-113.343 R39.1@-80.755,-106.707 ; C97.2@-82.164,-106.707 R39.1@-80.755,-106.707 ; R39.1@-80.704,-106.707 R39.1@-80.755,-106.707 ; v1(-71.279,-21.341) -71.242,-21.303 -70.238,-21.303 C60.2@-70.2,-21.266 C73.2@-68.422,-21.266 R15.1@-66.834,-21.266 -66.814,-21.245 -66.168,-21.245 -65.564,-21.849 -65.564,-27.818 -66.072,-28.326 U4.11@-67.749,-28.326 ; R70.2@-34.14,-20.48 -34.14,-20.78 -37.096,-20.78 -37.389,-21.072 -37.389,-28.219 -36.684,-28.924 -33.144,-28.924 v1(-33.004,-29.064) ; L1.2@-33.049,-28.924 -32.915,-29.058 v1(-32.004,-29.058) ; -32.49,-40.829 C81.2@-28.88,-40.829
  Top Layer w0.75: -32.49,-40.829 -32.49,-39.271 -31.369,-38.151 -22.047,-38.151 -21.25,-38.948 C1.1@-21.25,-41.326
  Signal Layer 2 w0.5: -95.5,-42.75 v1(-90.5,-42.75)
  Signal Layer 2 w0.75: v1(-80.75,-108.25) -93.75,-108.25 -95.5,-106.5 -95.5,-42.75 -95.5,-22.75 -94.091,-21.341 v1(-71.279,-21.341) -37.752,-21.341 -37.313,-21.78 -37.313,-28.625 -36.873,-29.064 v1(-33.004,-29.064)
  Signal Layer 2 w1.5: J8.24@-49.5,-72 -38.285,-72 -36.286,-70.001 -36.418,-70.001
  other v1: -36.877,-69.542 -35.877,-69.542 -36.877,-68.542 -35.877,-68.542 -36.877,-67.542 -35.877,-67.542 -33.004,-31.064 -32.004,-31.064 -33.004,-30.064 -32.004,-30.064
ADC: J8.20 U10.25 | length 24.9
  Top Layer w0.3: J8.20@-48.775,-84 J8.20@-49.5,-84 -49.5,-86.75 -48.83,-87.42 -48.83,-95.747 -45.666,-98.911 U10.25@-45.666,-106.591
CAN_RX: U10.61 U12.4 | length 37.4
  Top Layer w0.3: -43.166,-119.471 U10.61@-43.166,-118.066 ; v1(-29.007,-117.043) -29.102,-116.948 -29.102,-116.597 -29.116,-116.583 -29.116,-99.424 -28.626,-98.933 U12.4@-28.626,-97.058
  Signal Layer 1 w0.3: v1(-43.372,-119.862) -43.293,-119.783 -43.293,-119.339 -42.483,-118.529 -39.943,-118.529 -39.252,-117.838 -30.372,-117.838 -29.593,-117.059 -29.023,-117.059 v1(-29.007,-117.043)
CAN_TX: U10.62 U12.1 | length 36.4
  Top Layer w0.3: U10.62@-42.666,-118.066 -42.666,-119.163 -42.419,-119.409 v1(-42.419,-119.545) ; U12.1@-30.576,-97.058 -30.576,-98.685 -29.757,-99.504 -29.757,-117.354 -29.743,-117.367 v1(-29.743,-118.339)
  Signal Layer 1 w0.3: v1(-42.419,-119.545) -42.284,-119.545 -41.903,-119.164 -39.689,-119.164 -38.863,-118.338 v1(-29.743,-118.339)
CANH: J8.14 U12.7 | length 32.3
  Top Layer w0.3: J8.14@-53,-82.5 -43.281,-82.5 -41.732,-84.049 -41.732,-89.613 -40.413,-90.932 -31.171,-90.932 -29.926,-92.177 U12.7@-29.926,-94.158
CANL: J8.13 U12.6 | length 56.4
  Top Layer w0.3: v1(-42.521,-81.976) -42.521,-82.111 -41.097,-83.535 -41.097,-89.408 -40.137,-90.368 -30.714,-90.368 -29.276,-91.806 U12.6@-29.276,-94.158
  Signal Layer 1 w0.3: J8.13@-57,-67.5 -56.851,-67.351 -56.851,-66.101 -56,-65.25 -53.25,-65.25 -51.327,-63.327 -46.61,-63.327 -42.521,-67.416 v1(-42.521,-81.976)
DISABLE: R23.1 R62.1 R64.1 U10.28 | length 143.3
  Top Layer w0.3: R62.1@-76.774,-50.199 -69.824,-50.199 -66.25,-53.773 v1(-66.25,-55) ; R64.1@-65.336,-111.946 -62.446,-111.946 -61.25,-110.75 -61.25,-107 -64.787,-103.463 v1(-64.787,-99.621) v1@-64.835,-99.669 ; v1(-56.453,-104.991) -56.389,-104.928 -56.389,-91.711 -62.8,-85.3 -62.8,-55.426 -62.5,-55.126 v1(-62.5,-55) -62.5,-53.75 -48.75,-40 -48.75,-27.758 -49.642,-26.866 R23.1@-51.543,-26.866 ; U10.28@-47.166,-106.591 -47.166,-105.431 -46.821,-105.087 -46.649,-105.087 v1(-46.554,-104.991)
  Signal Layer 1 w0.3: v1(-66.25,-55) v1(-62.5,-55) ; v1(-64.787,-99.621) -64.783,-99.617 -60.618,-99.617 -60.614,-99.621 -56.46,-99.621 v1(-56.444,-99.605) ; v1(-56.453,-104.991) v1(-46.554,-104.991)
DM: J8.9 U11.4 | length 40.7
  Top Layer w0.3: J8.9@-57,-79.5 -55.525,-80.975 -51.975,-80.975 -50.5,-79.5 -39.956,-79.5 -38.379,-81.077 -38.379,-87.935 -37.458,-88.856 -30.509,-88.856 -29.363,-87.711 -29.363,-85.552 -29.651,-85.264 -30.514,-85.264 U11.4@-30.55,-85.3
DP: J8.10 U11.6 | length 38
  Top Layer w0.3: J8.10@-57,-76.5 -56.5,-76.5 -55,-78 -52,-78 -50.475,-76.475 -41.686,-76.475 -37.808,-80.353 -37.808,-87.668 -37.191,-88.285 -31.035,-88.285 -30.55,-87.8 U11.6@-30.55,-87.2 U11.6@-30.85,-87.2
ENCO_COS: J8.3
ENCO_SIN: J8.2